# Altium PCB VESC_KS75600.PcbDoc (part 1 of 3) (continued)
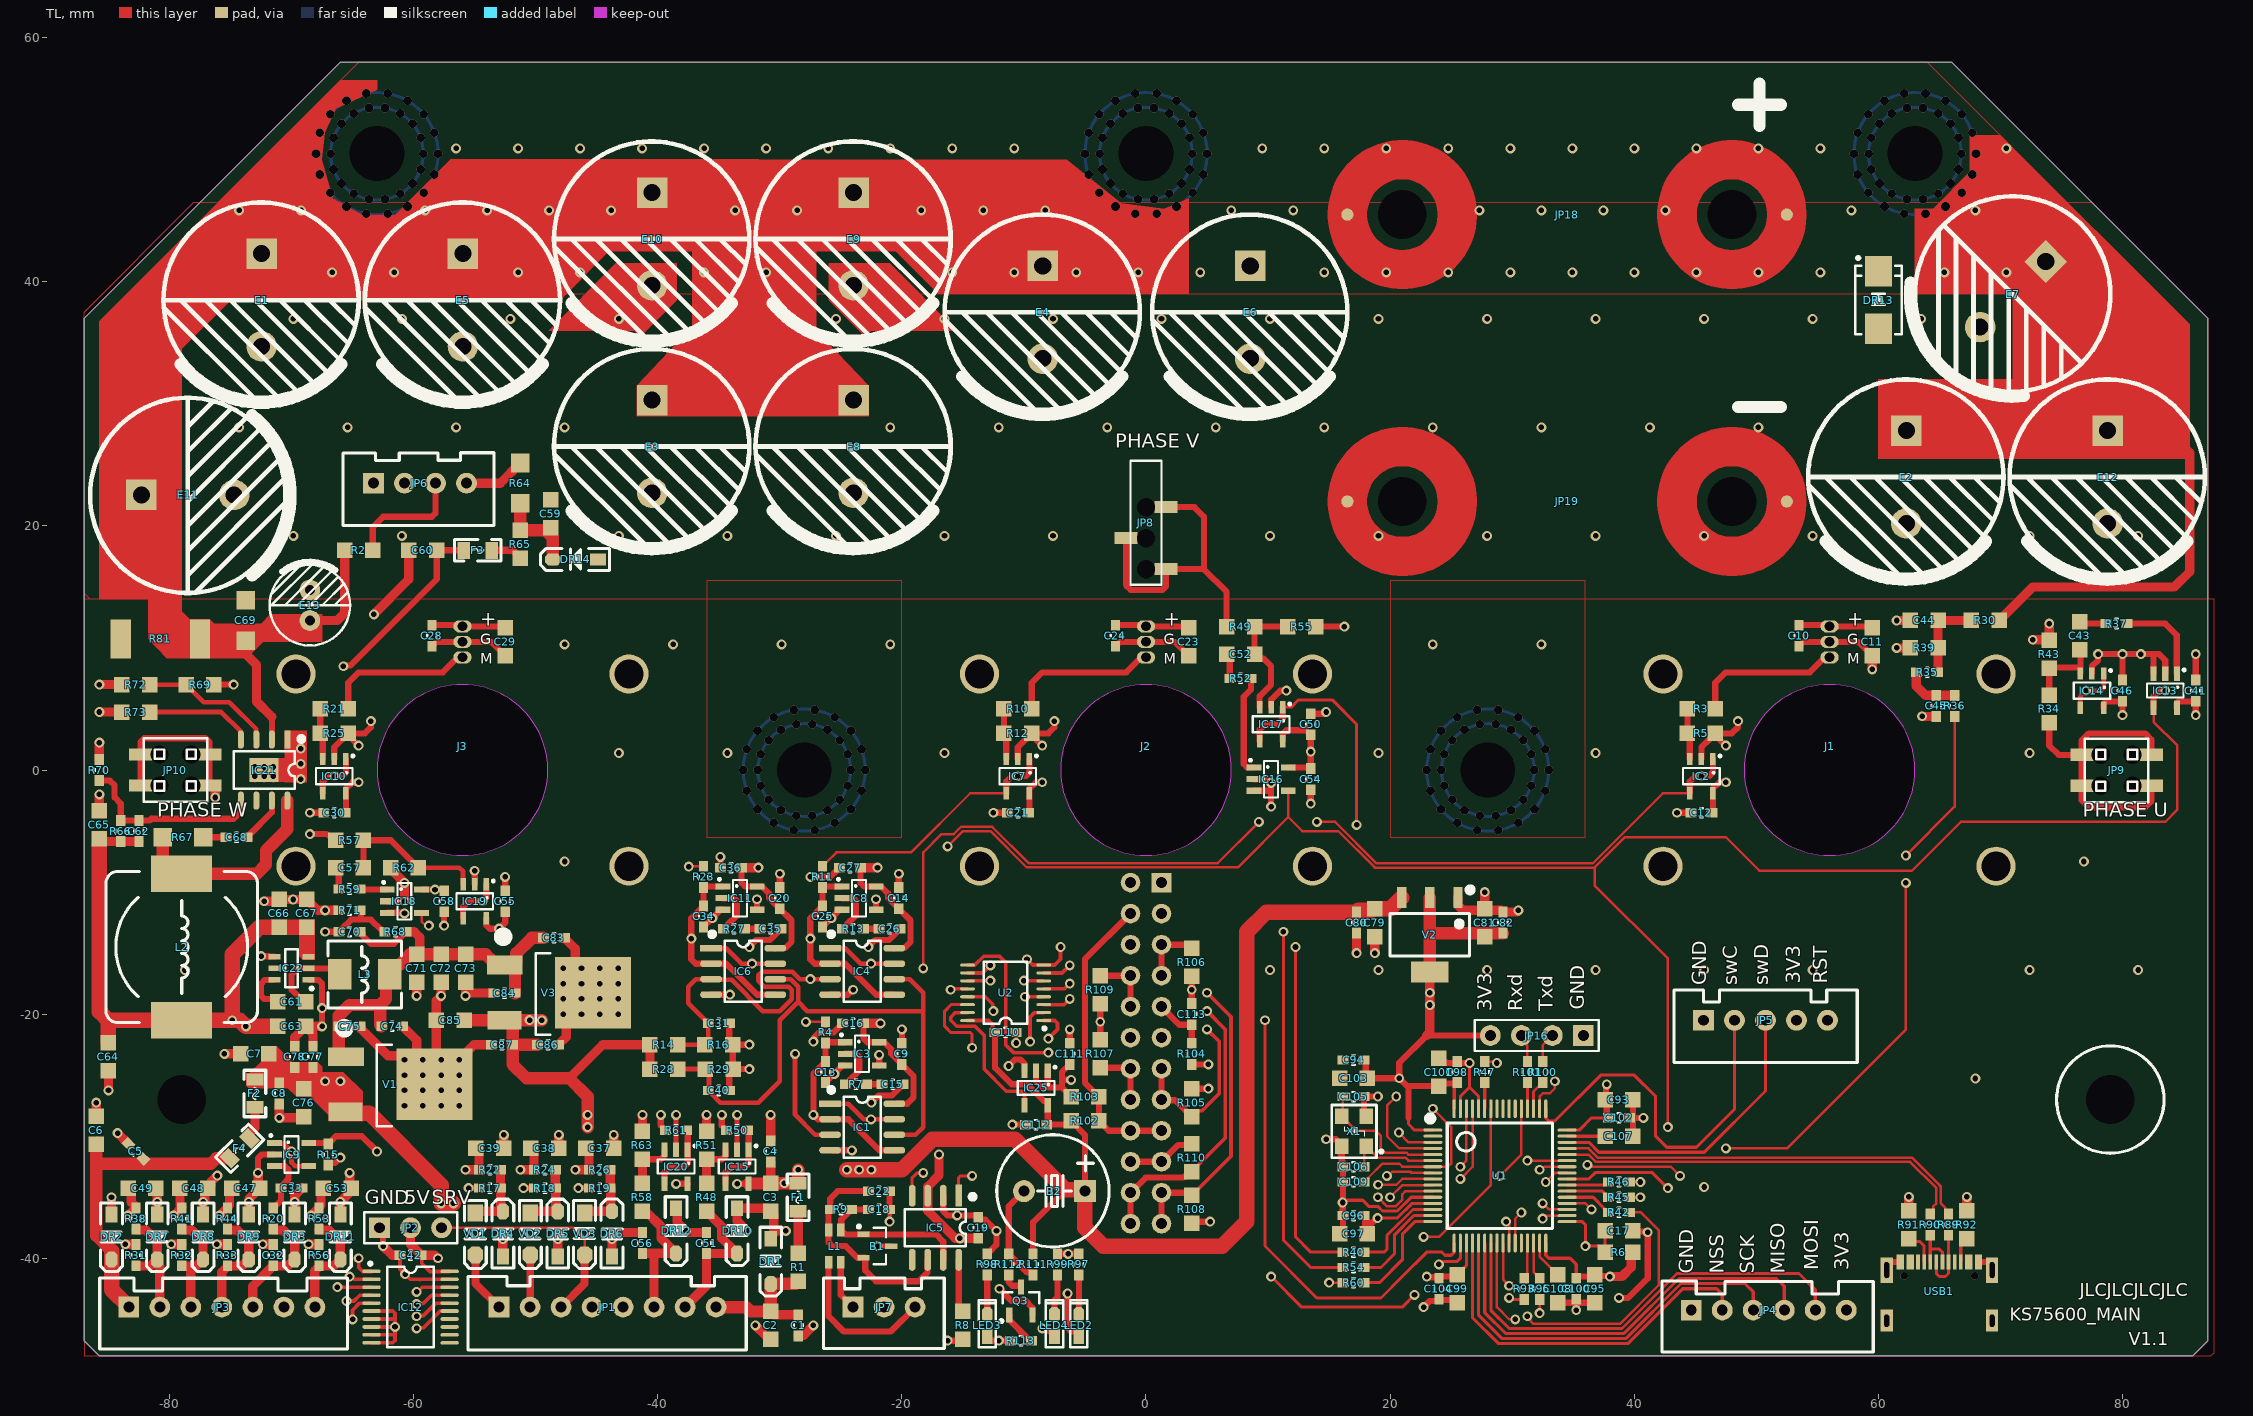
[diagram p0: TL view]
## Components (designator, comment, footprint, x,y, rotation, side; value= is the part's Value field where it differs from the comment) (continued)
C59 "100nf 50v" "C 0805" -48.75,21 r90 top value=100nf
C60 "100nf 50v" "C 0805" -59.25,18 r180 top value=100nf
C61 "100nf 50v" "C 0805" -70,-19 r0 top value=100nf
C62 "100pf 16v" "C 0603" -82.5,-5 r90 top value=100pf
C63 "10uf 16v" "C 0805" -70,-21 r0 top value=10uf
C64 "10uf 16v" "C 0805" -85,-23.5 r270 top value=10uf
C65 "100nf 50v" "C 0805" -85.75,-4.5 r90 top value=100nf
C66 "10uf 16v" "C 0805" -71,-11.75 r90 top value=10uf
C67 "100nf 50v" "C 0805" -68.75,-11.75 r90 top value=100nf
C68 "10nf 50v" "C 0603" -74.5,-5.5 r0 top value=10nf
C69 "100nf 100v" "C 1206" -73.75,12.25 r270 top value=100nf
C70 "68pf 16v" "C 0603" -65.25,-13.25 r180 top value=68pf
C71 "10uf 16v" "C 0805" -59.75,-16.25 r270 top value=10uf
C72 "10uf 16v" "C 0805" -57.75,-16.25 r270 top value=10uf
C73 "100nf 50v" "C 0805" -55.75,-16.25 r270 top value=100nf
C74 "100nf 50v" "C 0603" -61.75,-21 r0 top value=100nf
C75 "10nf 50v" "C 0603" -65.25,-21 r0 top value=10nf
C76 "10uf 16v" "C 0805" -69,-27.25 r90 top value=10uf
C77 "100nf 50v" "C 0603" -68.25,-23.5 r90 top value=100nf
C78 "10nf 50v" "C 0603" -69.75,-23.5 r90 top value=10nf
C79 "10uf 16v" "C 0805" 18.75,-12.5 r270 top value=10uf
C80 "100nf 50v" "C 0603" 17.25,-12.5 r270 top value=100nf
C81 "10uf 16v" "C 0805" 27.75,-12.5 r90 top value=10uf
C82 "100nf 50v" "C 0603" 29.25,-12.5 r90 top value=100nf
C83 "100nf 50v" "C 0603" -48.5,-13.75 r0 top value=100nf
C84 "10nf 50v" "C 0603" -52.555,-18.275 r180 top value=10nf
C85 "10uf 16v" "C 0805" -57,-20.5 r0 top value=10uf
C86 "100nf 50v" "C 0603" -49,-22.5 r0 top value=100nf
C87 "10nf 50v" "C 0603" -52.75,-22.5 r180 top value=10nf
C93 "10uf 16v" "C 0805" 38.75,-27 r0 top value=10uf
C94 "100nf 50v" "C 0603" 17,-23.75 r180 top value=100nf
C95 "10uf 16v" "C 0805" 36.75,-42.5 r270 top value=10uf
C96 "100nf 50v" "C 0603" 17,-36.5 r180 top value=100nf
C97 "10uf 16v" "C 0805" 17,-38 r180 top value=10uf
C98 "100nf 50v" "C 0603" 25.5,-24.75 r90 top value=100nf
C99 "10uf 16v" "C 0805" 25.5,-42.5 r270 top value=10uf
C100 "100nf 50v" "C 0603" 35.25,-42.5 r270 top value=100nf
C101 "10uf 16v" "C 0805" 24,-24.75 r90 top value=10uf
C102 "100nf 50v" "C 0603" 38.75,-28.5 r0 top value=100nf
C103 "10uf 16v" "C 0805" 17,-25.25 r180 top value=10uf
C104 "100nf 50v" "C 0603" 24,-42.5 r270 top value=100nf
C105 "15pf 16v" "C 0603" 17,-26.75 r180 top value=15pf
C106 "15pf 16v" "C 0603" 17,-32.5 r0 top value=15pf
C107 "10uf 16v" "C 0805" 38.75,-30 r0 top value=10uf
C108 "10uf 16v" "C 0805" 33.75,-42.5 r270 top value=10uf
C109 "100nf 50v" "C 0603" 17,-33.75 r0 top value=100nf
C110 "100nf 50v" "C 0603" -11.5,-21.5 r0 top value=100nf
C111 "10nf 50v" "C 0603" -6.25,-23.25 r90 top value=10nf
C112 "100nf 50v" "C 0603" -9,-29.05 r0 top value=100nf
C113 "1uf 16v" "C 0603" 3.75,-20 r270 top value=1uf
DR1 "SMF5.0A" SOD-123F -30.75,-40.25 r270 top
DR2 "SMF5.0A" SOD-123F -84.75,-38.25 r270 top
DR3 "SMF3.3A" SOD-123F -69.75,-38.25 r270 top
DR4 "SMF5.0A" SOD-123F -52.687,-38.009 r90 top
DR5 "SMF5.0A" SOD-123F -48.187,-38.009 r90 top
DR6 "SMF5.0A" SOD-123F -43.75,-38 r90 top
DR7 "SMF5.0A" SOD-123F -81,-38.25 r270 top
DR8 "SMF5.0A" SOD-123F -77.25,-38.25 r270 top
DR9 "SMF5.0A" SOD-123F -73.5,-38.25 r270 top
DR10 "SMF5.0A" SOD-123F -33.5,-37.75 r270 top
DR11 "SMF5.0A" SOD-123F -66,-38.25 r270 top
DR12 "SMF5.0A" SOD-123F -38.5,-37.75 r270 top
DR13 "SMBJ85A" SMB 60,38.5 r90 top
DR14 "SMF12A" SOD-123F -46.75,17.25 r180 top
E1 "330uf  ERF1KM331L20OT 100v" "CAP 7.5*16*25 - GD" -72.5,38.5 r270 top value="330uf  ERF1KM331L20OT"
E2 "330uf  ERF1KM331L20OT 100v" "CAP 7.5*16*25 - GD" 62.25,24 r270 top value="330uf  ERF1KM331L20OT"
E3 "330uf  ERF1KM331L20OT 100v" "CAP 7.5*16*25 - GD" -40.5,26.5 r270 top value="330uf  ERF1KM331L20OT"
E4 "330uf  ERF1KM331L20OT 100v" "CAP 7.5*16*25 - GD" -8.5,37.5 r270 top value="330uf  ERF1KM331L20OT"
E5 "330uf  ERF1KM331L20OT 100v" "CAP 7.5*16*25 - GD" -56,38.5 r270 top value="330uf  ERF1KM331L20OT"
E6 "330uf  ERF1KM331L20OT 100v" "CAP 7.5*16*25 - GD" 8.5,37.5 r270 top value="330uf  ERF1KM331L20OT"
E7 "330uf  ERF1KM331L20OT 100v" "CAP 7.5*16*25 - GD" 71,39 r225 top value="330uf  ERF1KM331L20OT"
E8 "330uf  ERF1KM331L20OT 100v" "CAP 7.5*16*25 - GD" -24,26.5 r270 top value="330uf  ERF1KM331L20OT"
E9 "330uf  ERF1KM331L20OT 100v" "CAP 7.5*16*25 - GD" -24,43.5 r270 top value="330uf  ERF1KM331L20OT"
E10 "330uf  ERF1KM331L20OT 100v" "CAP 7.5*16*25 - GD" -40.5,43.5 r270 top value="330uf  ERF1KM331L20OT"
E11 "330uf  ERF1KM331L20OT 100v" "CAP 7.5*16*25 - GD" -78.5,22.5 r0 top value="330uf  ERF1KM331L20OT"
E12 "330uf  ERF1KM331L20OT 100v" "CAP 7.5*16*25 - GD" 78.75,24 r270 top value="330uf  ERF1KM331L20OT"
E13 "22uf 100v" "CAP 2.5*6.3*11.2 - BK" -68.5,13.5 r90 top value=22uf
F1 "JK-SMD0805-005" "FU 0805" -28.5,-35 r270 top
F2 "JK-SMD0805-010/15V" "FU 0805" -73,-26.5 r270 top
F3 "K0805L010AR" "FU 0805" -54.75,18 r0 top
F4 "K0805L010AR" "FU 0805" -74.25,-31 r225 top
IC1 "LM393" SOP8_N -23.25,-29.25 r0 top
IC2 "GS8551" SOT23-5L 45.5,-0.5 r180 top
IC3 "SN74LVC1G66DBV" SOT23-5N -23.25,-23.25 r270 top
IC4 "LM393" SOP8_N -23.25,-16.5 r0 top
IC5 "SIT65HVD230DR" SOP8_N -17.25,-37.5 r270 top
IC6 "LM393" SOP8_N -33,-16.5 r0 top
IC7 "GS8551" SOT23-5L -10.5,-0.5 r180 top
IC8 "SN74LVC1G66DBV" SOT23-5N -23.5,-10.5 r270 top
IC9 "GS8521" SOT23-5N -70,-31.5 r270 top
IC10 "GS8551" SOT23-5L -66.5,-0.5 r180 top
IC11 "SN74LVC1G66DBV" SOT23-5N -33.25,-10.5 r270 top
IC12 "74HC245" TSSOP20_N -60.25,-44 r0 top
IC13 "SN74LVC1G66DBV" SOT23-5N 83.5,6.5 r180 top
IC14 "GS8551" SOT23-5L 77.5,6.5 r180 top
IC15 "GS8521" SOT23-5N -33.5,-32.5 r180 top
IC16 "SN74LVC1G66DBV" SOT23-5N 10.25,-0.75 r270 top
IC17 "GS8551" SOT23-5L 10.25,3.75 r180 top
IC18 "SN74LVC1G66DBV" SOT23-5N -60.75,-10.75 r270 top
IC19 "GS8551" SOT23-5L -55,-10.75 r180 top
IC20 "GS8521" SOT23-5N -38.5,-32.5 r180 top
IC21 "LM5164" SOP8_EPAD_L -72.25,0 r270 top
IC22 "TPS54302DDCR" SOT23-6L -70,-16.25 r90 top
IC25 "SN74LVC1G14DBV" SOT23-5N -9,-26.05 r180 top
J1 "YMC15S" YMC15S 56,0 r0 top locked
J2 "YMC15S" YMC15S 0,0 r0 top locked
J3 "YMC15S" YMC15S -56,0 r0 top locked
JP1 "XHB2.54-8P 带锁" XH2.54-8P -53,-44 r0 top
JP2 "N/C" HDR-1X3 -62.79,-37.5 r0 top
JP3 "XHB2.54-7P 带锁" XH2.54-7P -83.33,-44 r0 top
JP4 "XHB2.54-6P 带锁" XH2.54-6P 44.67,-44.25 r0 top
JP5 "XHB2.54-5P 带锁" XH2.54-5P 45.67,-20.5 r0 top
JP6 "XHB2.54-4P 带锁" XH2.54-4P -63.29,23.5 r0 top
JP7 "XHB2.54-3P 带锁" XH2.54-3P -24,-44 r0 top
JP8 "2.54立式贴片单排母1*4P塑高3.5正脚位" "2.54立贴错位排母 4P" 0,24.08 r270 top locked
JP9 "2.54立式贴片双排母2*2P塑高3.5" "贴片2.54双排母 pcb开孔" 79.52,-0.03 r270 top locked
JP10 "2.54立式贴片双排母2*2P塑高3.5" "贴片2.54双排母 pcb开孔" -79.52,0 r270 top
JP11 "12X7上下层铜环" 11X6.5上下层铜环 0,50.5 r180 top locked
JP12 "12X7上下层铜环" 11X6.5上下层铜环 -63,50.5 r180 top locked
JP13 "12X7上下层铜环" 11X6.5上下层铜环 63,50.5 r180 top
JP14 "12X7上下层铜环" 11X6.5上下层铜环 -28,0 r180 top locked
JP15 "12X7上下层铜环" 11X6.5上下层铜环 28,0 r180 top locked
JP16 "N/C" HDR-1X4 35.83,-21.75 r180 top
JP17 "Header 2X11" HDR-12X2 1.27,-9.23 r270 bottom
JP18 "M6-12-1.5接线柱底座" 接线柱底座焊盘 34.5,45.5 r180 top
JP19 "M6-12-1.5接线柱底座" 接线柱底座焊盘 34.5,22 r180 top
L1 "2路 600Ω@100MHz" D_C_C_1206 -25.5,-39 r270 top
L2 "68uH SMDRI127-680MT" CDRH127 -79,-14.5 r270 top
L3 "10uh FXL0530-100-M" L-SMD-0530 -64,-16.75 r0 top
LED2 "蓝色" "LED 0603G" -5.5,-45.5 r90 top
LED3 "红色" "LED 0603G" -13,-45.5 r90 top
LED4 "绿色" "LED 0603G" -7.5,-45.5 r90 top
Q3 "S9013" SOT23-3N -10.25,-43.5 r0 top
R1 "MPZ2012S102ATD25" "R 0805" -28.5,-40.75 r90 top
R2 "100k" "R 0805" -64.5,18 r0 top
R3 "5.1k 0.1% 25ppm" "R 0805-HP" 45.5,5 r0 top
R4 "1k" "R 0603" -26.25,-21.5 r90 top
R5 "10k 0.1% 25ppm" "R 0805-HP" 45.5,3 r180 top
R6 "4.7k 0.1% 25ppm" "R 0805" 38.75,-39.5 r0 top
R7 "47r" "R 0603" -23.75,-25.75 r0 top
R8 "4.7k 0.1% 25ppm" "R 0805" -15,-45.5 r90 top
R9 "120r" "R 0603" -25,-36 r180 top
R10 "5.1k 0.1% 25ppm" "R 0805-HP" -10.5,5 r0 top
R11 "1k" "R 0603" -26.5,-8.75 r90 top
R12 "10k 0.1% 25ppm" "R 0805-HP" -10.5,3 r180 top
R13 "47r" "R 0603" -24,-13 r0 top
R14 "3.16k 0.1% 25ppm" "R 0805-HP" -39.5,-22.5 r180 top
R15 "10k" "R 0603" -67,-31.5 r90 top
R16 "4.7k 0.1% 25ppm" "R 0805" -35,-22.5 r180 top
R17 "1k" "R 0603" -53.75,-34.25 r180 top
R18 "1k" "R 0603" -49.25,-34.25 r180 top
R19 "1k" "R 0603" -44.75,-34.25 r180 top
R20 "1k" "R 0603" -71.5,-36.75 r90 top
R21 "5.1k 0.1% 25ppm" "R 0805-HP" -66.5,5 r0 top
R22 "470r" "R 0603" -53.75,-32.75 r0 top
R23 "1k" "R 0603" -36.25,-8.75 r90 top
R24 "470r" "R 0603" -49.25,-32.75 r0 top
R25 "10k 0.1% 25ppm" "R 0805-HP" -66.5,3 r180 top
R26 "100r" "R 0603" -44.75,-32.75 r0 top
R27 "47r" "R 0603" -33.75,-13 r0 top
R28 "4.7k 0.1% 25ppm" "R 0805" -39.5,-24.5 r180 top
R29 "330r 0.1% 25ppm" "R 0805-HP" -34.975,-24.5 r180 top
R30 "56k 0.1% 25ppm" "R 0805-HP" 68.75,12.25 r0 top
R31 "1k" "R 0603" -82.75,-39.75 r90 top
R32 "1k" "R 0603" -79,-39.75 r90 top
R33 "1k" "R 0603" -75.25,-39.75 r90 top
R34 "56k 0.1% 25ppm" "R 0805-HP" 74,5 r270 top
R35 "100r" "R 0603" 64,8 r0 top
R36 "1k" "R 0603" 66.25,5.25 r90 top
R37 "47r" "R 0603" 79.5,12 r0 top
R38 "1k" "R 0603" -82.75,-36.75 r270 top
R39 "2.2k 0.1% 25ppm" "R 0805-HP" 63.75,10 r0 top
R40 "1k" "R 0603" 17,-39.5 r180 top
R41 "1k" "R 0603" -79,-36.75 r270 top
R42 "470r" "R 0603" 38.75,-36.25 r0 top
R43 "2.2k 0.1% 25ppm" "R 0805-HP" 74,9.5 r270 top
R44 "1k" "R 0603" -75.25,-36.75 r270 top
R45 "470r" "R 0603" 38.75,-35 r0 top
R46 "470r" "R 0603" 38.75,-33.75 r0 top
R47 "470r" "R 0603" 27.75,-24.75 r90 top
R48 "5.1k 0.1% 25ppm" "R 0805-HP" -36,-35 r270 top
R49 "56k 0.1% 25ppm" "R 0805-HP" 7.75,11.75 r180 top
R50 "1k" "R 0603" -33.5,-29.5 r0 top
R51 "10k 0.1% 25ppm" "R 0805-HP" -36,-30.75 r270 top
R52 "47r" "R 0603" 7.75,7.5 r0 top
R53 "1k" "R 0603" -67.75,-36.75 r270 top
R54 "1k" "R 0603" 17,-40.75 r180 top
R55 "2.2k 0.1% 25ppm" "R 0805-HP" 12.75,11.75 r180 top
R56 "1k" "R 0603" -67.75,-39.75 r270 top
R57 "56k 0.1% 25ppm" "R 0805-HP" -65.25,-5.75 r180 top
R58 "5.1k 0.1% 25ppm" "R 0805-HP" -41.25,-35 r270 top
R59 "47r" "R 0603" -65.25,-9.75 r0 top
R60 "1k" "R 0603" 17,-42 r180 top
R61 "1k" "R 0603" -38.5,-29.5 r0 top
R62 "2.2k 0.1% 25ppm" "R 0805-HP" -60.75,-8 r0 top
R63 "10k 0.1% 25ppm" "R 0805-HP" -41.25,-30.75 r270 top
R64 "470r" "R 1206" -51.25,23.5 r90 top
R65 "MPZ2012S102ATD25" "R 0805" -51.25,18.5 r270 top
R66 "91k" "R 0603" -84,-5 r270 top
R67 "10r" "R 1206-HP" -78.901,-5.5 r180 top
R68 "120k" "R 0603" -61.5,-13.25 r0 top
R69 "100k" "R 0805" -77.5,7 r0 top
R70 "10k" "R 0603" -85.75,0 r270 top
R71 "10k" "R 0603" -65.25,-11.5 r0 top
R72 "100k" "R 0805" -82.75,7 r0 top
R73 "39k" "R 0805" -82.75,4.75 r0 top
R81 "47k" "R 2512" -80.75,10.75 r180 top
R89 "22r" "R 0603" 65.75,-37.25 r270 top
R90 "22r" "R 0603" 64.25,-37.25 r270 top
R91 "5.1k 0.1% 25ppm" "R 0805-HP" 62.5,-37.25 r270 top
R92 "5.1k 0.1% 25ppm" "R 0805-HP" 67.25,-37.25 r270 top
R93 "0r" "R 0603" 31,-42.5 r270 top
R95 "0r" "R 0603" 32.25,-42.5 r270 top
R97 "1k" "R 0603" -5.5,-40.5 r270 top
R98 "220r" "R 0603" -13,-40.5 r270 top
R99 "220r" "R 0603" -7.25,-40.5 r270 top
R100 "0r" "R 0603" 32.5,-24.75 r270 top
R101 "0r" "R 0603" 31.25,-24.75 r270 top
R102 "4.7k 0.1% 25ppm" "R 0805" -5,-28.75 r0 top
R103 "4.7k 0.1% 25ppm" "R 0805" -5,-26.75 r180 top
R104 "10k" "R 0603" 3.75,-23.25 r90 top
R105 "10k" "R 0805" 3.75,-27.25 r90 top
R106 "10k" "R 0805" 3.75,-15.75 r270 top
R107 "10k" "R 0805" -3.75,-23.25 r90 top
R108 "10k" "R 0805" 3.75,-36 r270 top
R109 "10k" "R 0805" -3.75,-18 r270 top
R110 "10k" "R 0805" 3.75,-31.75 r90 top
R111 "1k" "R 0603" -9.25,-40.5 r270 top
R112 "220r" "R 0603" -11.25,-40.5 r90 top
R113 "1k" "R 0603" -10.25,-46.75 r0 top
U1 "STM32F405RGT6" "LQFP64 10x10_L" 29,-33.25 r270 top
U2 "MC74HC365ADTR2G" TSSOP16_L -11.5,-18.25 r180 top
USB1 "USB-C/P_8+4+4(三次模顶)" USB-C/S_16_0D_F 65,-43.25 r0 top
V1 "CJ7805" TO252 -62.5,-25.75 r270 top
V2 "TLV1117LV33DCYR" SOT223_L 23.25,-13.5 r180 top
V3 "CJ7805" TO252 -49.5,-18.25 r270 top
VD1 "DSF1D" SOD-123 -54.937,-38.009 r270 top
VD2 "DSF1D" SOD-123 -50.437,-38.009 r270 top
VD3 "DSF1D" SOD-123 -46,-38 r270 top
X1 "8M 无源 10pf" XTAL-3225 18,-30.75 r180 top

## Footprints (in the part's own frame and the unit in brackets; to place one, negate y for a bottom-side part, rotate by r counter-clockwise, add the part's x,y. Pads: shape width x height; smd on the part's side, far side on the other; paste and mask are expansions set on the pad)
"2.54立贴错位排母 4P" [mm] "排针，4脚"
  rect 1x1.9 on Top Overlay: 1(0,-1.65)
  rect 1x1.9 smd: 2(2.54,1.65) 3(5.08,-1.65) 4(7.62,1.65)
  silkscreen extent -1.27,-1.27 8.89,1.27, body extent -1.29,-1.2 8.91,1.2, height 4.3
11X6.5上下层铜环 [mm]
  round 0 hole 4.5: 0(0,0)
  rect 2x1.524 smd far side paste-10: 1(-4.375,0) 1(4.375,0)
  BL circle w0.254: c0,0 r5
  BL circle w0.254: c0,0 r3.8
"BEEP 5x9x5.5" [mm] "5*9*5.5mm(脚距,直径,高度)"
  rect 1.8x1.8 hole 0.9: 1(0,-2.5)
  round 1.8 hole 0.9: 2(0,2.5)
  silkscreen extent -4.57,-4.47 4.62,4.73, body extent -4.5,-4.5 4.5,4.5, height 5.45
"C 0603" [mil] "无极性贴片电容"
  rect 35x30 smd: 1(-34.02,0) 2(34,0)
  silkscreen extent -4,-15 4,15, body extent -31,-16 32,16, height 32
"C 0805" [mil] "无极性贴片电容"
  rect 50x50 smd: 1(-45,0) 2(45,0)
  body extent -39,-24 39,24, height 20
"C 1206" [mil] "无极性贴片电容"
  rect 60x60 smd: 1(-65,0) 2(65,0)
  body extent -63,-32 63,32, height 48
"CAP 2.5*6.3*11.2 - BK" [mm] "脚距2.5mm直径6.3mm高度11.2mm"
  round 1.7 hole 0.8: 1(-1.25,0) 2(1.25,0)
  silkscreen extent -3.3,-3.3 3.56,3.3, body extent -3.15,-3.15 3.16,3.15, height 11.24
"CAP 7.5*16*25 - GD" [mm] "脚距7.5mm直径16mm高度25mm"
  rect 2.5x2.5 hole 1.4: 1(-3.8,0.038)
  round 2.5 hole 1.4: 2(3.8,0.038)
  silkscreen extent -8,-8 8.42,8, body extent -8,-8 8.01,8, height 25.04
CDRH127 [mm] "12*12*8mm（长宽高）"
  rect 3x5 smd: 1(-6,0) 2(6,0)
  silkscreen extent -6.2,-6.2 6.2,6.2, body extent -6,-6 6,6, height 7.8
D_C_C_1206 [mm] "共模双路滤波器（磁珠）"
  rect 1.05x0.6 smd: 1(-1.325,-0.5) 2(1.325,-0.5) 3(1.325,0.5) 4(-1.325,0.5)
  body extent -1.66,-0.86 1.66,0.86, height 1.94
"FU 0805" [mil] "贴片保险丝"
  rect 40x55 smd: 1(-45,0) 2(45,0)
  silkscreen extent -75,-35 75,35, body extent -39,-24 39,24, height 20
HDR-1X3 [mm] "排针，3脚"
  rect 1.7x1.7 hole 0.9: 1(0,0)
  round 1.7 hole 0.9: 2(2.54,0) 3(5.08,0)
  silkscreen extent -1.27,-1.27 6.35,1.27, body extent -1.27,-1.27 6.35,1.27, height 8.5
HDR-1X4 [mm] "排针，4脚"
  rect 1.7x1.7 hole 0.9: 1(0,0)
  round 1.7 hole 0.9: 2(2.54,0) 3(5.08,0) 4(7.62,0)
  silkscreen extent -1.27,-1.27 8.89,1.27, body extent -1.27,-1.27 8.89,1.27, height 8.5
HDR-12X2 [mm] "双排排针，12x2脚"
  rect 1.6x1.6 hole 0.9: 1(0,0)
  round 1.6 hole 0.9: 2(0,2.54) 3(2.54,0) 4(2.54,2.54) 5(5.08,0) 6(5.08,2.54) 7(7.62,0) 8(7.62,2.54) 9(10.16,0) 10(10.16,2.54) 11(12.7,0) 12(12.7,2.54) 13(15.24,0) 14(15.24,2.54) 15(17.78,0) 16(17.78,2.54) 17(20.32,0) 18(20.32,2.54) 19(22.86,0) 20(22.86,2.54) 21(25.4,0) 22(25.4,2.54) 23(27.94,0) 24(27.94,2.54)
  silkscreen extent -1.27,-1.27 29.21,3.81, body extent -1.27,-1.27 29.21,3.81, height 8.5
L-SMD-0530 [mm] "一体化成型电感"
  rect 1.9x2.5 smd: 1(-2.05,0) 2(2.05,0)
  silkscreen extent -3,-2.75 3,2.75, body extent -2.8,-2.6 2.8,2.6, height 3.01
"LED 0603G" [mil] "绿色0603LED"
  rect 50x35 smd: 1(-35,0.26)
  oct 50x35 smd: 2(35,0.26)
  silkscreen extent -71,-28 81,28, body extent -31,-16 31,16, height 24
"LQFP64 10x10_L" [mm] "64脚，体宽10x10mm，脚距0.5mm"
  oval 0.25x1.55 smd: 1(-3.75,-5.5) 2(-3.25,-5.5) 3(-2.75,-5.5) 4(-2.25,-5.5) 5(-1.75,-5.5) 6(-1.25,-5.5) 7(-0.75,-5.5) 8(-0.25,-5.5) 9(0.25,-5.5) 10(0.75,-5.5) 11(1.25,-5.5) 12(1.75,-5.5) 13(2.25,-5.5) 14(2.75,-5.5) 15(3.25,-5.5) 16(3.75,-5.5) 33(3.75,5.5) 34(3.25,5.5) 35(2.75,5.5) 36(2.25,5.5) 37(1.75,5.5) 38(1.25,5.5) 39(0.75,5.5) 40(0.25,5.5) 41(-0.25,5.5) 42(-0.75,5.5) 43(-1.25,5.5) 44(-1.75,5.5) 45(-2.25,5.5) 46(-2.75,5.5) 47(-3.25,5.5) 48(-3.75,5.5)
  oval 1.55x0.25 smd: 17(5.5,-3.75) 18(5.5,-3.25) 19(5.5,-2.75) 20(5.5,-2.25) 21(5.5,-1.75) 22(5.5,-1.25) 23(5.5,-0.75) 24(5.5,-0.25) 25(5.5,0.25) 26(5.5,0.75) 27(5.5,1.25) 28(5.5,1.75) 29(5.5,2.25) 30(5.5,2.75) 31(5.5,3.25) 32(5.5,3.75) 49(-5.499,3.75) 50(-5.499,3.25) 51(-5.499,2.75) 52(-5.499,2.25) 53(-5.499,1.75) 54(-5.499,1.25) 55(-5.499,0.75) 56(-5.499,0.25) 57(-5.499,-0.25) 58(-5.499,-0.75) 59(-5.499,-1.25) 60(-5.499,-1.75) 61(-5.499,-2.25) 62(-5.499,-2.75) 63(-5.499,-3.25) 64(-5.499,-3.75)
  silkscreen extent -4.95,-5.96 4.32,4.32, body extent -6,-6 6,6, height 1.45
"R 0603" [mil] "1/10W贴片电阻"
  rect 35x30 smd: 1(-34.02,0) 2(34,0)
  silkscreen extent -4,-15 4,15, body extent -31,-16 32,16, height 16
"R 0805" [mil] "1/8W贴片电阻"
  rect 50x50 smd: 1(-45,0) 2(45,0)
  body extent -39,-25 39,25, height 20
"R 0805-HP" [mm] "1/8W高精度贴片电阻"
  rect 1.27x1.27 smd: 1(-1.143,0) 2(1.143,0)
  body extent -1,-0.62 1,0.63, height 0.5
"R 1206" [mil] "1/4W贴片电阻"
  rect 60x60 smd: 1(-65,0) 2(65,0)
  body extent -63,-31 63,32, height 22
"R 1206-HP" [mil] "1/4W高精度贴片电阻"
  rect 60x60 smd: 1(-65,0) 2(65,0)
  body extent -63,-31 63,32, height 22
"R 2512" [mm] "1W贴片电阻"
  rect 1.65x3.2 smd: 1(-3.24,0) 2(3.24,0)
  body extent -3.2,-1.6 3.2,1.6, height 0.55
SMB [mm] "4.7*3.9*2.2mm(长宽高，不包括引脚）"
  rect 2.5x2.2 smd: 1(-2.35,0) 2(2.35,0)
  silkscreen extent -2.8,-1.9 3.57,1.9, body extent -2.63,-1.8 2.67,1.8, height 2.35
SOD-123 [mil] "2.7x1.6X1.1mm（长宽高，不包括引脚）"
  rect 55x50 smd: 1(-67.5,0)
  oct 55x50 smd: 2(67.5,0)
  silkscreen extent -108,-35 112,35, body extent -73,-31 73,31, height 48
SOD-123F [mm] "2.7x1.6X1.1mm（长宽高，不包括引脚）"
  rect 1.3x1 smd: 1(-1.85,0)
  oct 1.3x1 smd: 2(1.85,0)
  silkscreen extent -2.79,-0.89 2.84,0.89, body extent -1.9,-0.8 1.9,0.8, height 1.15
SOP8_EPAD_L [mm] "5*6*1.8mm（长宽高）"
  rect 1.5x0.5 smd: 1(-2.5,1.905)
  oval 1.5x0.5 smd: 2(-2.5,0.635) 3(-2.5,-0.635) 4(-2.5,-1.905) 5(2.5,-1.905) 6(2.5,-0.635) 7(2.5,0.635) 8(2.5,1.905)
  rect 2x2.39 smd: 9(0,0)
  silkscreen extent -2.69,-2.5 1.52,3.2, body extent -3,-2.5 3,2.5, height 1.9
SOP8_N [mm] "5*6*1.8mm（长宽高）"
  rect 1.8x0.55 smd: 1(-2.625,1.905)
  oval 1.8x0.55 smd: 2(-2.625,0.635) 3(-2.625,-0.635) 4(-2.625,-1.905) 5(2.625,-1.905) 6(2.625,-0.635) 7(2.625,0.635) 8(2.625,1.905)
  silkscreen extent -2.69,-2.5 1.52,3.2, body extent -3,-2.5 3,2.5, height 1.9
SOT23-3L [mm] "3x1.3x1mm(长宽高)"
  rect 0.45x1 smd: 1(-0.95,-1.143) 2(0.95,-1.143) 3(0,1.125)
  silkscreen extent -1.72,-1.65 1.5,0.7, body extent -1.5,-1.2 1.5,1.2, height 1.05
SOT23-3N [mm] "3x1.3x1mm(长宽高)"
  rect 0.5x1.2 smd: 1(-0.95,-1.143) 2(0.95,-1.143) 3(0,1.143)
  silkscreen extent -1.72,-1.78 1.5,0.7, body extent -1.5,-1.2 1.5,1.2, height 1.05
SOT23-5L [mm] "3x1.6x1.1mm(长宽高)"
  rect 0.45x1 smd: 1(-0.95,-1.4) 2(0,-1.4) 3(0.95,-1.4) 4(0.95,1.4) 5(-0.95,1.4)
  silkscreen extent -1.6,-1.73 1.5,0.66, body extent -1.5,-1.4 1.5,1.4, height 1.15
SOT23-5N [mm] "3x1.6x1.1mm(长宽高)"
  rect 0.5x1.2 smd: 1(-0.95,-1.4) 2(0,-1.4) 3(0.95,-1.4) 4(0.95,1.4) 5(-0.95,1.4)
  silkscreen extent -1.63,-1.78 1.5,0.56, body extent -1.5,-1.4 1.5,1.4, height 1.15
SOT23-6L [mm] "3x1.6x1.1mm(长宽高)"
  rect 0.45x1 smd: 1(-0.95,-1.397) 2(0,-1.397) 3(0.95,-1.397) 4(0.95,1.397) 5(0,1.397) 6(-0.95,1.397)
  silkscreen extent -1.77,-1.78 1.55,0.51, body extent -1.5,-1.4 1.5,1.4, height 1.15
SOT223_L [mm] "6.4x7x1.6mm(长宽高)"
  rect 0.75x1.7 smd: 1(-2.3,-3.048) 2(0,-3.048) 3(2.3,-3.048)
  rect 3.1x1.7 smd: 2(0,3.048)
  silkscreen extent -3.5,-3.88 3.25,1.75, body extent -3.25,-3.51 3.25,3.51, height 1.65
TO252 [mil] "252晶体管"
  rect 60x115 smd: 1(-89.55,-119.77)
  rect 230x245 smd: 2(0,165.35)
  rect 60x110 smd: 3(88.45,-120.77)
  silkscreen extent -196,-140 135,28, body extent -127,-120 129,251, height 91
TSSOP16_L [mm] "5*6.4*1mm（长宽高）"
  rect 1.2x0.25 smd: 1(-3.125,2.275)
  oval 1.2x0.25 smd: 2(-3.125,1.625) 3(-3.125,0.975) 4(-3.125,0.325) 5(-3.125,-0.325) 6(-3.125,-0.975) 7(-3.125,-1.625) 8(-3.125,-2.275) 9(3.125,-2.275) 10(3.125,-1.625) 11(3.125,-0.975) 12(3.125,-0.325) 13(3.125,0.325) 14(3.125,0.975) 15(3.125,1.625) 16(3.125,2.275)
  silkscreen extent -3.3,-2.54 1.78,3.05, body extent -3.2,-2.5 3.2,2.5, height 1.03
TSSOP20_N [mm] "6.5*6.4*1（长宽高）"
  oval 1.5x0.3 smd: 1(-3.2,2.925) 2(-3.2,2.275) 3(-3.2,1.625) 4(-3.2,0.975) 5(-3.2,0.325) 6(-3.2,-0.325) 7(-3.2,-0.975) 8(-3.2,-1.625) 9(-3.2,-2.275) 10(-3.2,-2.925) 11(3.2,-2.925) 12(3.2,-2.275) 13(3.2,-1.625) 14(3.2,-0.975) 15(3.2,-0.325) 16(3.2,0.325) 17(3.2,0.975) 18(3.2,1.625) 19(3.2,2.275) 20(3.2,2.925)
  silkscreen extent -3.43,-3.3 1.91,3.69, body extent -3.2,-3.25 3.2,3.25, height 1.03
USB-C/S_16_0D_F [mm] "Type-C_母16P_三次模顶_0.7MM脚长"
  rect 0.6x1.2 smd: A1B12(-3.2,2.94) A4B9(-2.4,2.94) B1A12(3.2,2.94) B4A9(2.4,2.94)
  rect 0.3x1.2 smd: A5(-1.25,2.94) A6(-0.25,2.94) A7(0.25,2.94) A8(1.25,2.94) B5(1.75,2.94) B6(0.75,2.94) B7(-0.75,2.94) B8(-1.75,2.94)
  rect 1x2.1 hole 0.4 slot 1.3 at 90 deg: S(-4.32,2.283) S(4.32,2.283)
  rect 1x1.8 hole 0.4 slot 1 at 90 deg: S(-4.32,-1.867) S(4.32,-1.867)
  round 0.6 hole 0.6: ""(-2.89,1.813) ""(2.89,1.813)
  body extent -4.47,-4.5 4.47,3.1, height 3.17
XH2.54-3P [mm] "接插件，3P"
  rect 1.7x1.7 hole 0.9: 1(0,0)
  round 1.7 hole 0.9: 2(2.54,0) 3(5.08,0)
  silkscreen extent -2.41,-3.38 7.47,2.39, body extent -2.5,-3.3 7.58,2.4, height 7.03
XH2.54-4P [mm] "接插件，4P"
  rect 1.7x1.7 hole 0.9: 1(0,0)
  round 1.7 hole 0.9: 2(2.54,0) 3(5.08,0) 4(7.62,0)
  silkscreen extent -2.49,-3.45 9.88,2.49, body extent -2.5,-3.3 10.12,2.4, height 7.03
XH2.54-5P [mm] "接插件，5P"
  rect 1.7x1.7 hole 0.9: 1(0,0)
  round 1.7 hole 0.9: 2(2.54,0) 3(5.08,0) 4(7.62,0) 5(10.16,0)
  silkscreen extent -2.4,-3.45 12.6,2.49, body extent -2.5,-3.3 12.66,2.4, height 7.03
XH2.54-6P [mm] "接插件，6P"
  rect 1.7x1.7 hole 0.9: 1(0,0)
  round 1.7 hole 0.9: 2(2.54,0) 3(5.08,0) 4(7.62,0) 5(10.16,0) 6(12.7,0)
  silkscreen extent -2.39,-3.43 14.91,2.39, body extent -2.5,-3.3 15.2,2.4, height 7.03
XH2.54-7P [mm] "接插件，7P"
  rect 1.7x1.7 hole 0.9: 1(0,0)
  round 1.7 hole 0.9: 2(2.54,0) 3(5.08,0) 4(7.62,0) 5(10.16,0) 6(12.7,0) 7(15.24,0)
  silkscreen extent -2.39,-3.43 17.91,2.39, body extent -2.5,-3.3 17.74,2.4, height 7.05
XH2.54-8P [mm] "接插件，8P"
  rect 1.7x1.7 hole 0.9: 1(0,0)
  round 1.7 hole 0.9: 2(2.54,0) 3(5.08,0) 4(7.62,0) 5(10.16,0) 6(12.7,0) 7(15.24,0) 8(17.78,0)
  silkscreen extent -2.54,-3.5 20.25,2.5, body extent -2.5,-3.3 20.28,2.4, height 7.05
XTAL-3225 [mm]
  rect 1.1x1.3 smd: 1(-0.051,0.076) 2(-0.051,-2.388) 3(1.956,-2.388) 4(1.956,0.076)
  silkscreen extent -1.4,-3.3 2.79,1.02, body extent -0.34,-2.74 2.16,0.46, height 0.8
YMC15S [mm] "源弥科技 开环霍尔电流传感器"
  round 3.2 hole 2.4: 0(-13.64,-7.875) 0(-13.64,7.875) 0(13.64,-7.875) 0(13.64,7.875)
  oval 1.5x1 hole 0.8: 1(0,11.77) 2(0,10.5) 3(0,9.23)
  body extent -15.63,-14.4 15.63,14.4, height 12.21
接线柱底座焊盘 [mm]
  round 1 smd: 1(-18,0) 1(18,0)
  TL region: 13.5,-6.1 16.147,-5.496 18.269,-3.803 19.447,-1.357 19.447,1.357 18.269,3.803 16.147,5.496 13.5,6.1 13.5,6.1 13.5,2.9 14.95,2.511 16.011,1.45 16.4,0 16.011,-1.45 14.95,-2.512 13.5,-2.9 13.5,-2.9
  TL region: 13.5,-6.1 10.853,-5.496 8.731,-3.803 7.553,-1.357 7.553,1.357 8.731,3.803 10.853,5.496 13.5,6.1 13.5,6.1 13.5,2.9 12.05,2.511 10.989,1.45 10.6,0 10.988,-1.45 12.05,-2.512 13.5,-2.9 13.5,-2.9
  TL region: -13.5,-6.1 -10.853,-5.496 -8.731,-3.803 -7.553,-1.357 -7.553,1.357 -8.731,3.803 -10.853,5.496 -13.5,6.1 -13.5,6.1 -13.5,2.9 -12.05,2.511 -10.989,1.45 -10.6,0 -10.989,-1.45 -12.05,-2.512 -13.5,-2.9 -13.5,-2.9
  TL region: -13.5,-6.1 -16.147,-5.496 -18.269,-3.803 -19.447,-1.357 -19.447,1.357 -18.269,3.803 -16.147,5.496 -13.5,6.1 -13.5,6.1 -13.5,2.9 -14.95,2.511 -16.012,1.45 -16.4,0 -16.012,-1.45 -14.95,-2.512 -13.5,-2.9 -13.5,-2.9
  body extent -19.5,-6 19.5,6, height 36.5
"贴片2.54双排母 pcb开孔" [mm] "脚距：2.54mm，贴片双排母"
  rect 1.02x1.9 smd: 1(-1.27,2.85) 2(-1.27,-2.85) 3(1.27,2.85) 4(1.27,-2.85)
  round 0 hole 1.5: 1(-1.27,1.3) 2(-1.27,-1.3) 3(1.27,1.3) 4(1.27,-1.3)
  silkscreen extent -2.6,-2.6 2.6,2.6, body extent -2.57,-3.2 2.57,3.2, height 5.15

## Part data
B1: library part SM712, "7V+12V 双向双路TVS"
B2: library part BEEP, "蜂鸣器"
C1 C4 C5 C8 C9 C10 C12 C14 C16 C19 C20 C21 C24 C27 C28 C30 C31 C33 C36 C37 C38 C39 C40 C41 C42 C43 C44 C46 C50 C52 C54 C55 C57 C58 C59 C60 C61 C65 C67 C68 C73 C74 C75 C77 C78 C80 C82 C83 C84 C86 C87 C94 C96 C98 C100 C102 C104 C109 C110 C111 C112: library part C, "无极性贴片电容", Voltage=50v
C2 C3 C6 C7 C11 C13 C15 C18 C22 C23 C25 C26 C29 C32 C34 C35 C45 C51 C53 C56 C62 C63 C64 C66 C70 C71 C72 C76 C79 C81 C85 C93 C95 C97 C99 C101 C103 C105 C106 C107 C108 C113: library part C, "无极性贴片电容", Voltage=16v
C17 C47 C48 C49 C69: library part C, "无极性贴片电容", Voltage=100v
DR1 DR2 DR3 DR4 DR5 DR6 DR7 DR8 DR9 DR10 DR11 DR12 DR13 DR14: library part DR_S, "瞬态电压抑制二极管(单向)"
E1 E2 E3 E4 E5 E6 E7 E8 E9 E10 E11 E12 E13: library part C-CAP, "直插电解电容", Voltage=100v
F1 F2 F3 F4: library part FU, "贴片保险丝"
IC1 IC4 IC6: library part LM393_A, "双路电压比较"
IC2 IC7 IC9 IC10 IC14 IC15 IC17 IC19 IC20: library part GS8331, "单运放 SOT23-5"
IC3 IC8 IC11 IC13 IC16 IC18: library part SN74LVC1G66, "单路常开模拟开关 0.5ns 5.5Ω"
IC5: library part SN65HVD230, "CAN芯片"
IC12: "八线收发器"
IC21: library part MK9019, "100V 1Mhz BUCK控制器"
IC22: library part TPS54302, "4.5V 至 28V 输入、3A 输出、EMI 友好型同步降压转换器"
IC25: library part SN74LVC1G14, "单路施密特触发反向器"
J1 J2 J3: "源弥科技 开环霍尔传感器"
JP1: library part "Header 8", "8P接插件"
JP2 JP7: library part "Header 3", "3P接插件"
JP3: library part "Header 7", "7P接插件"
JP4: library part "Header 6", "6P接插件"
JP5: library part "Header 5", "5P接插件"
JP6 JP8 JP16: library part "Header 4", "4P接插件"
JP9 JP10: library part "Header 2X2", "2*2P接插件"
JP11 JP12 JP13 JP14 JP15 JP18 JP19: library part "Header 1", "1P接插件"
JP17: library part "Header 12X2", "12*2P接插件"
L1: library part L-CMC, "共模电感"
L2: library part L-CDRH, "功率屏蔽电感"
L3: library part L-SMD, "贴片一体成形功率电感"
LED2 LED3 LED4: library part LED-SMD, "贴片LED"
Q3: library part 9013-SMD, "低频放大-NPN型"
R1 R2 R3 R4 R5 R6 R7 R8 R9 R10 R11 R12 R13 R14 R15 R16 R17 R18 R19 R20 R21 R22 R23 R24 R25 R26 R27 R28 R29 R30 R31 R32 R33 R34 R35 R36 R37 R38 R39 R40 R41 R42 R43 R44 R45 R46 R47 R48 R49 R50 R51 R52 R53 R54 R55 R56 R57 R58 R59 R60 R61 R62 R63 R64 R65 R66 R67 R68 R69 R70 R71 R72 R73 R81 R89 R90 R91 R92 R93 R95 R97 R98 R99 R100 R101 R102 R103 R104 R105 R106 R107 R108 R109 R110 R111 R112 R113: library part R, "贴片电阻"
U1: library part STM32F405RG, "Flash:1024/RAM:192/IO:51"
U2: library part SN74HC365D, "6路缓冲器"
USB1: library part USB-C/P_8+4+4, "USB-C型贴片母接口 8（8线）+4 (电源) + 4（外壳）（2.0基础数据+CC+SBU）"
V1 V3: library part 78xx, "线性稳压芯片"
V2: library part AMS1117, "三端稳压芯片"
VD1 VD2 VD3: library part SR540, "肖特基二极管"
X1: library part XTAL-4, "4脚晶振"

## Free pads (board coordinates)
  round 1.524 hole 4: 8(79,-27) 10(-79,-27)
  round 0 hole 4 unplated: 11(21,45.5) 12(48,45.5) 13(48,22) 14(21,22)
  round 0 hole 1.5: 16(0,16.46) 16(0,19) 16(0,21.54)

## Via types
v1: diameter 0.813, hole 0.457, TL to BL, tented both sides, 462 vias
v2: diameter 0.711, hole 0.711, TL to BL, tented both sides, 180 vias

## Nets (pads, with @x,y where several pads share a name; then routed paths per layer and width w, separated by ;. In a path a pad name is that pad's centre, name@x,y a point inside that pad or via, vN(x,y) a via of type N, cw(c..) or ccw(c..) an arc to the next point about the centre after c; other vN are vias at no path point)
ACC_EN: C60.1 F3.1 R69.2 | length 27.9
  TL w0.508: R69.2@-76.357,7 v1(-74.75,7) ; v1(-65.75,8.5) -65.692,8.558 -65.192,8.558 -58.107,15.643 C60.1@-58.107,18 F3.1@-55.893,18
  S1 w0.508: v1(-74.75,7) -73.25,7 -72,5.75 -67.75,5.75 -65.75,7.75 v1(-65.75,8.5)
ACC_IN: JP6.4 R64.2 | length 5.1
  TL w0.762: JP6.4@-55.67,23.5 -52.901,23.5 R64.2@-51.25,25.151
ANA_BRK_S: R50.1 U1.27 | length 84.8
  TL w0.203: U1.27@30.25,-38.75 30.25,-36.75 v1(30.75,-36.25)
  TL w0.508: v1(-34.75,-28.25) -34.75,-29.114 -34.555,-29.309 -34.555,-29.373 -34.428,-29.5 R50.1@-34.364,-29.5
  S1 w0.203: v1(-34.75,-28.25) -34.75,-38 -31.511,-41.239 -9.008,-41.239 -6.56,-43.687 14.813,-43.687 21.5,-37 28.298,-37 29.048,-36.25 v1(30.75,-36.25)
ANA_THR_S: R61.1 U1.26 | length 88.2
  TL w0.203: v1(29.5,-37) 29.75,-37.25 U1.26@29.75,-38.75
  TL w0.508: v1(-39.75,-28.25) -39.75,-29.114 -39.555,-29.309 -39.555,-29.373 -39.428,-29.5 R61.1@-39.364,-29.5
  S1 w0.203: v1(-39.75,-28.25) -39.75,-38.741 -36.897,-41.594 -9.156,-41.594 -6.708,-44.042 15.208,-44.042 21.894,-37.356 28.446,-37.356 28.801,-37 v1(29.5,-37)
BRIDGE_ERR: C111.1 IC25.1 IC25.2 R103.2 U1.4 | length 56
  TL w0.203: v1(20.5,-26.75) 19.75,-27.5 19.75,-30 20.75,-31 U1.4@23.5,-31
  TL w0.508: IC25.2@-9,-24.65 -9,-25.5 -8.5,-26 -7.931,-26 ; IC25.1@-8.05,-24.65 -8.05,-25.881 -7.931,-26 ; R103.2@-6.143,-26.75 -6.893,-26 ; C111.1@-6.143,-24.221 C111.1@-6.25,-24.114 -6.25,-24.177 -6.377,-24.304 -6.44,-24.304 -6.893,-24.757 -6.893,-25.379 ; v1(-6.129,-25.379) -6.893,-25.379 ; -7.931,-26 -6.893,-26 ; -6.893,-26 -6.893,-25.379
  S1 w0.203: v1(-6.129,-25.379) -6.129,-30.41 -3.5,-33.039 -3.5,-35.25 -2.75,-36 7.25,-36 13.75,-29.5 15.997,-29.5 16.853,-28.644 19.356,-28.644 20.5,-27.5 v1(20.5,-26.75)
BRK_BUF: C17.1 IC1.1 IC1.7 IC4.1 IC4.7 IC6.1 IC6.7 R6.1 U1.33 | length 122.3
  TL w0.254: v1(10.25,-41.5) 12.75,-44 21,-44 v1(22,-43) ; U1.33@34.5,-37 35.75,-37 36,-37.25 v1(36,-39) 37.107,-39 R6.1@37.607,-39.5 C17.1@37.607,-37.75 ; R6.1@37.874,-39.5 R6.1@37.886,-39.5
  TL w0.381: IC6.1@-35.624,-14.596 -34.404,-14.596 -33.135,-15.865 v1(-32.279,-15.865) IC6.7@-30.375,-15.865 ; IC4.1@-25.875,-14.595 -24.654,-14.596 -23.385,-15.865 v1(-22.529,-15.865) IC4.7@-20.625,-15.865 ; IC1.1@-25.624,-27.346 -24.404,-27.346 -23.135,-28.615 IC1.7@-20.375,-28.615
  TL w0.508: C17.1@37.607,-37.75 C17.1@37.747,-37.89 ; R6.1@37.747,-39.373 R6.1@37.874,-39.5
  S1 w0.203: v1(-22.529,-28.615) -19.5,-31.644 -19.5,-37.75 -17.789,-39.461 -8.272,-39.461 -6.932,-40.8 -5.551,-40.8 -4.443,-41.909 9.826,-41.909 10.235,-41.5 v1(10.25,-41.5)
  S1 w0.254: v1(22,-43) 22.5,-42.5 26.75,-42.5 30.25,-39 v1(36,-39)
  S1 w0.381: v1(-32.279,-15.865) -29.5,-15.865 ; v1(-22.529,-28.615) -24.885,-28.615 -29.5,-24 -29.5,-15.865 ; v1(-22.529,-15.865) -29.5,-15.865
BUT_CC_S: C38.2 R24.1 R93.2 | length 92.7
  TL w0.254: v1(29.75,-43.25) 29.901,-43.25 30.015,-43.364 R93.2@31,-43.364
  TL w0.762: v1(-51.25,-32.75) -50.139,-32.75 -50.139,-31.7 -50.139,-31.254 C38.2@-50.393,-31
  S1 w0.203: v1(-51.25,-32.75) -51.25,-32.763 -51.66,-33.174 -51.66,-34.84 -49.644,-36.856 -42.642,-36.856 -37.191,-42.306 -14.191,-42.306 -12.631,-43.866 -7.941,-43.866 -7.054,-44.754 28.246,-44.754 v1(29.75,-43.25)
BUT_REV_S: C39.2 R22.1 R95.2 | length 99.8
  TL w0.203: v1(32.25,-44.5) R95.2@32.25,-43.364
  TL w0.762: v1(-55.75,-32.75) -54.639,-32.75 -54.639,-31.7 -54.639,-31.254 C39.2@-54.893,-31
  S1 w0.203: v1@-55.756,-32.75 -56.25,-33.244 -56.25,-34.75 -53.789,-37.211 -42.789,-37.211 -37.339,-42.661 -14.339,-42.661 -12.778,-44.222 -8.088,-44.222 -7.201,-45.109 28.641,-45.109 29.749,-44.001 31.751,-44.001 v1(32.25,-44.5)
CAN_RX: IC5.4 U1.61 | length 60.4
  TL w0.203: v1(25.75,-33.5) 26.75,-32.5 U1.61@26.75,-27.751
  TL w0.254: IC5.4@-19.155,-34.875 -19.155,-33.405 -18.75,-33 v1(-18.25,-33)
  S1 w0.203: v1(-18.25,-33) -16,-35.25 -12.131,-35.25 -8.881,-38.5 -6.5,-38.5 -3.802,-41.198 8.826,-41.198 17.86,-32.163 24.413,-32.163 v1(25.75,-33.5)
CAN_TX: IC5.1 U1.62 | length 54.8
  TL w0.203: v1(25.75,-32.5) 26.25,-32 U1.62@26.25,-27.751
  TL w0.254: IC5.1@-15.345,-34.875 -15.345,-33.399 -15.196,-33.25 v1(-14.25,-33.25)
  S1 w0.203: v1(-14.25,-33.25) -12.606,-34.894 -11.948,-34.894 -8.698,-38.144 -6.353,-38.144 -3.655,-40.842 8.678,-40.842 17.713,-31.807 25.057,-31.807 v1(25.75,-32.5)
CANH: JP7.1 L1.3 | length 4.1
  TL w0.508: L1.3@-25,-40.325 -25,-43 JP7.1@-24,-44